# KiCad board panel.kicad_pcb (continued)
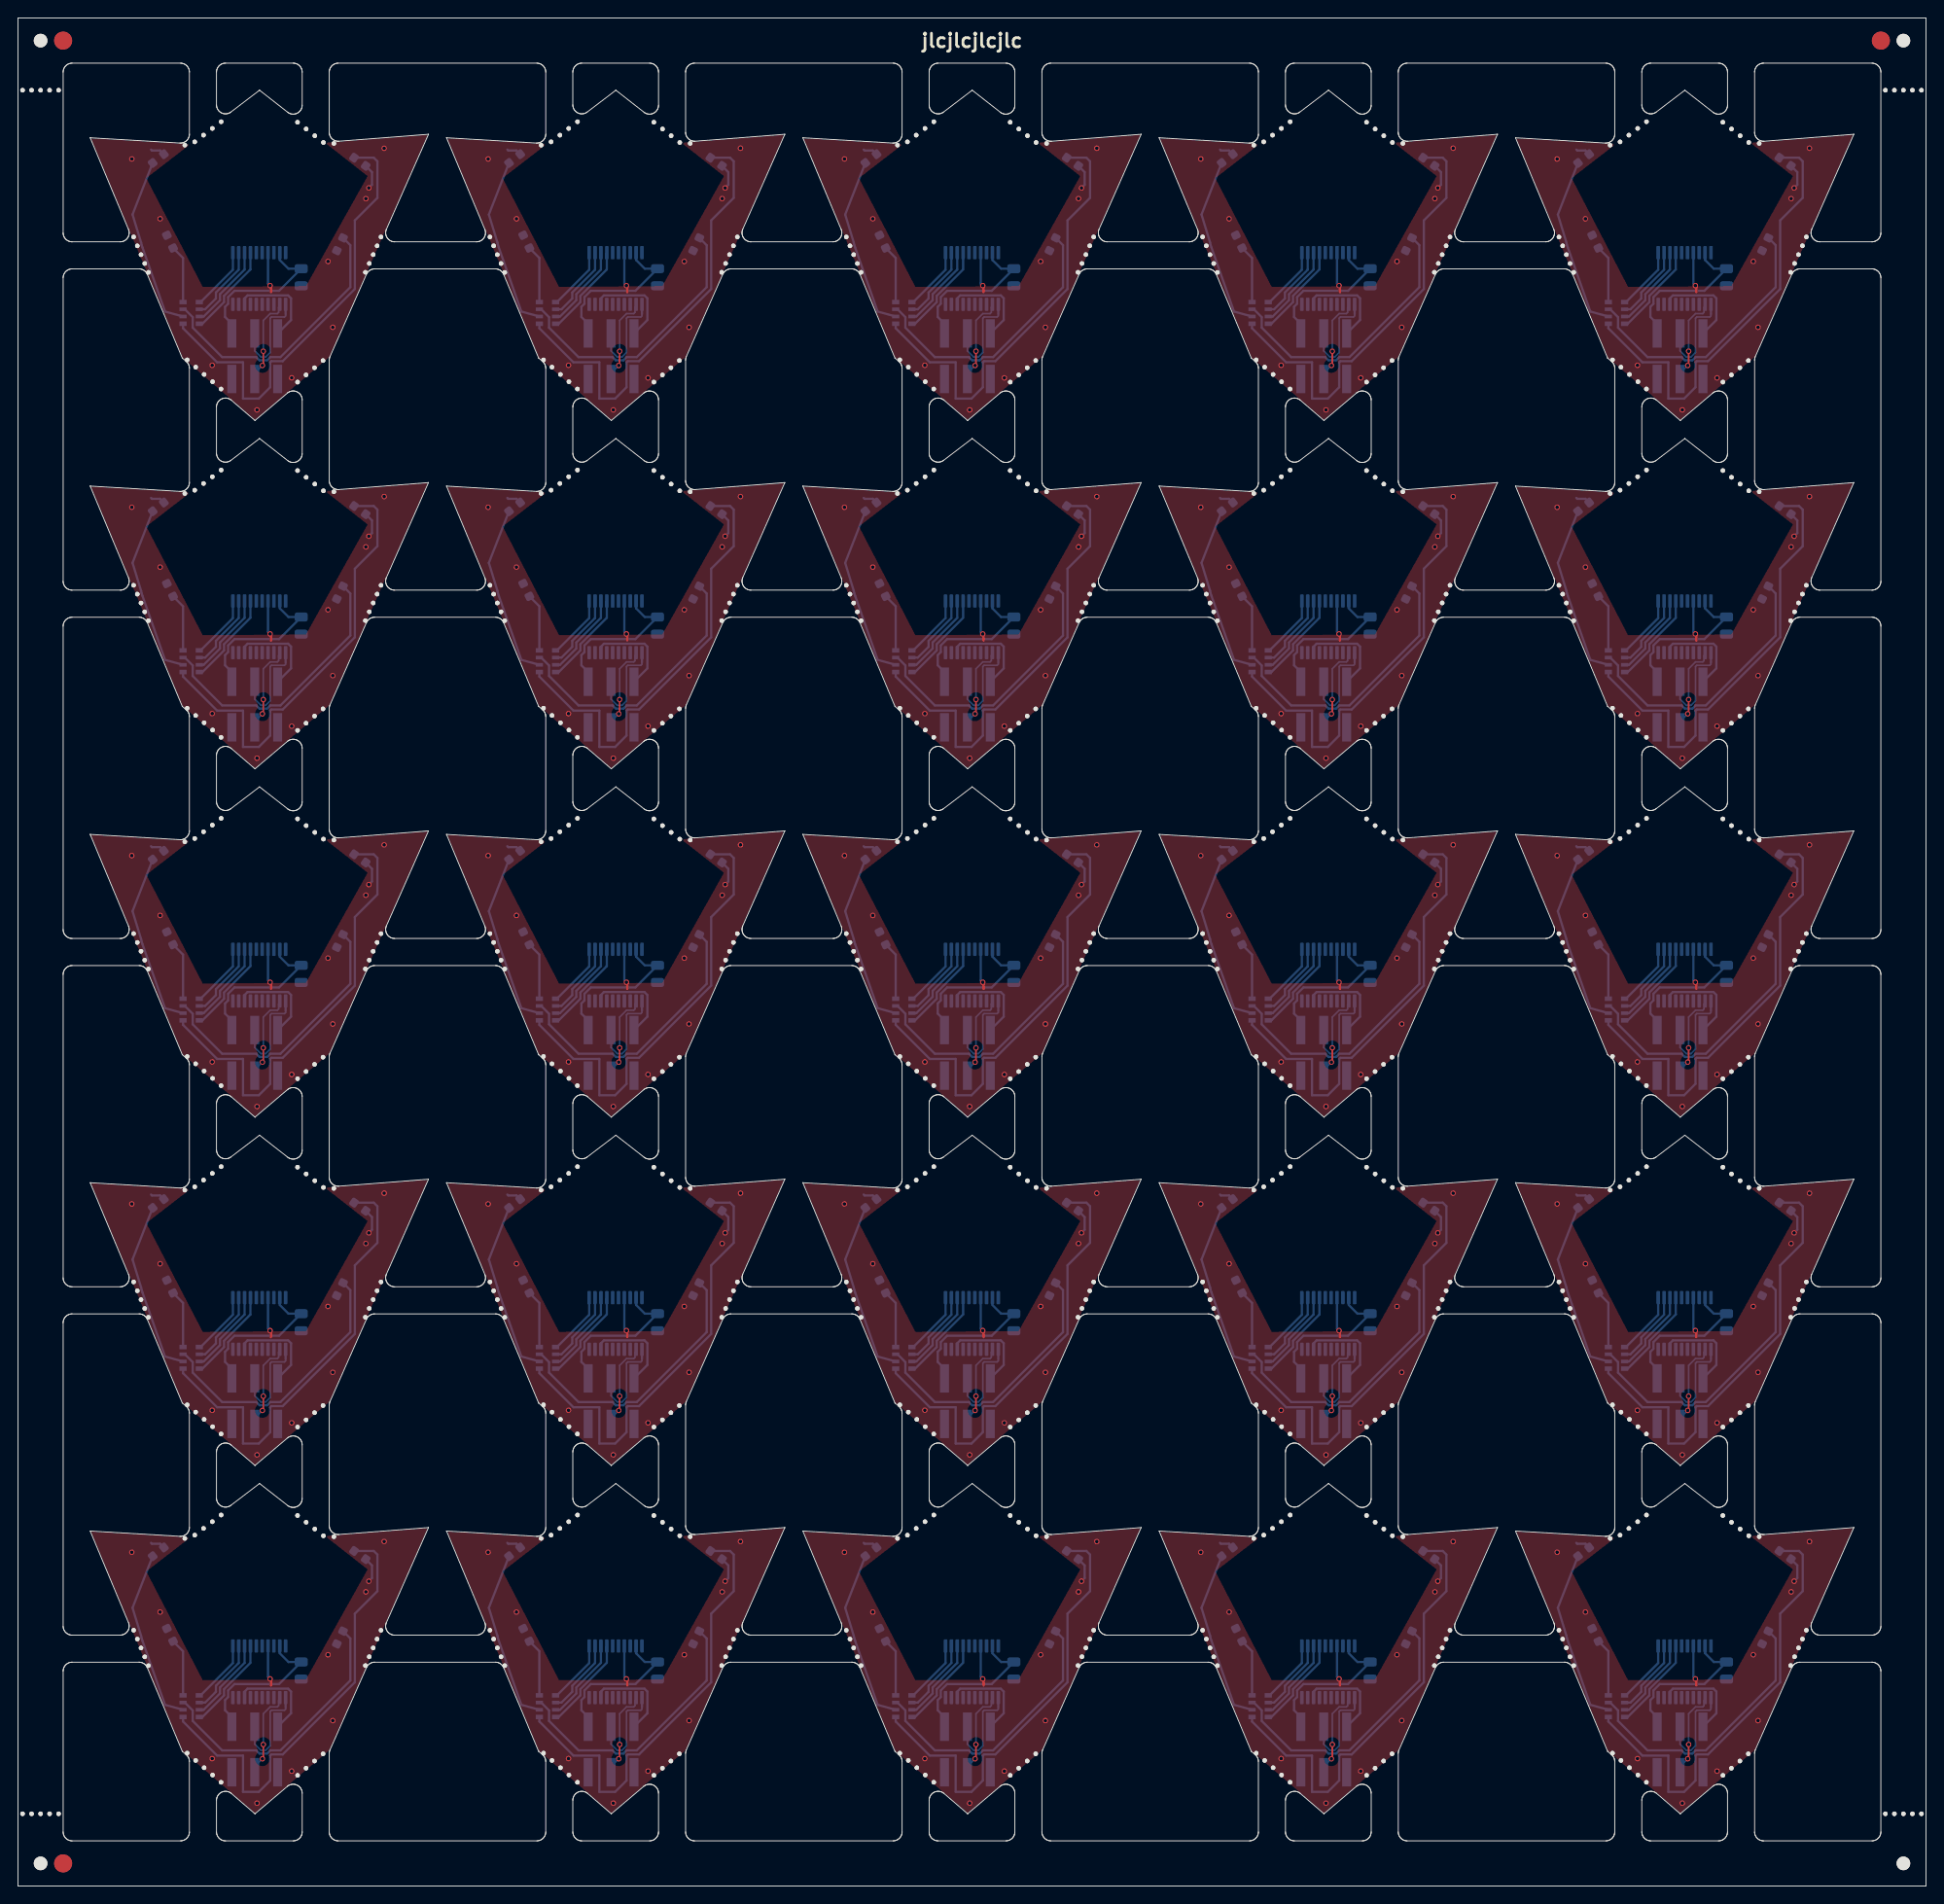
[diagram p0: board, top side]
## Nets (continued)
Board_23-unconnected-(U1-PD0-Pad8): U1#16.8
Board_23-unconnected-(U1-PD2-Pad19): U1#16.19
Board_23-unconnected-(U1-PD3-Pad20): U1#16.20
Board_23-VCC: C1#25.2 J1#15.1 U1#16.9
Board_23-VSS: C1#25.1 D2#19.1 D4#15.1 D6#19.1 D8#18.1 J1#15.2 U1#16.7
Board_24-A: RN1#20.5 U1#8.1
Board_24-B: RN1#20.6 U1#8.2
Board_24-C: RN1#20.7 U1#8.3
Board_24-D: RN1#20.8 U1#8.4
Board_24-Net-(D2-A): D2#14.2 RN1#20.4
Board_24-Net-(D4-A): D4#2.2 RN1#20.2
Board_24-Net-(D6-A): D6#3.2 RN1#20.3
Board_24-Net-(D8-A): D8#14.2 RN1#20.1
Board_24-SCL: J1#14.4 U1#8.12
Board_24-SDA: J1#14.3 U1#8.11
Board_24-SWIO: J1#14.5 U1#8.18
Board_24-unconnected-(J1-Pin_6-Pad6): J1#14.6
Board_24-unconnected-(U1-PA1-Pad5): U1#8.5
Board_24-unconnected-(U1-PA2-Pad6): U1#8.6
Board_24-unconnected-(U1-PC0-Pad10): U1#8.10
Board_24-unconnected-(U1-PC3-Pad13): U1#8.13
Board_24-unconnected-(U1-PC4-Pad14): U1#8.14
Board_24-unconnected-(U1-PC5-Pad15): U1#8.15
Board_24-unconnected-(U1-PC6-Pad16): U1#8.16
Board_24-unconnected-(U1-PC7-Pad17): U1#8.17
Board_24-unconnected-(U1-PD0-Pad8): U1#8.8
Board_24-unconnected-(U1-PD2-Pad19): U1#8.19
Board_24-unconnected-(U1-PD3-Pad20): U1#8.20
Board_24-VCC: C1#15.2 J1#14.1 U1#8.9
Board_24-VSS: C1#15.1 D2#14.1 D4#2.1 D6#3.1 D8#14.1 J1#14.2 U1#8.7

## Via types
v1: diameter 0.6, hole 0.4, Top to Bottom, 325 vias

## Routing (per net, layer and track width the routed paths; a pad name or vN(x,y) marks a point on that pad's centre or on a via; arc(x,y) is an arc through that point)
Board_0-A: length 7
  Bottom w0.25: RN1#12.5 20.24,175.56 23.82,179.13 23.82,180.96
Board_0-B: length 8.4
  Bottom w0.25: RN1#12.6 20.74,174.76 21.94,175.95 21.94,176.62 24.47,179.15 24.47,180.96
Board_0-C: length 9.4
  Bottom w0.25: RN1#12.7 20.58,173.96 22.39,175.77 22.39,176.43 25.12,179.16 25.12,180.96
Board_0-D: length 10.4
  Bottom w0.25: RN1#12.8 20.44,173.16 22.84,175.55 22.84,176.25 25.77,179.17 25.77,180.96
Board_0-Net-(D2-A): length 6.4
  Bottom w0.25: RN1#12.4 18.29,180.45 D2.2
Board_0-Net-(D4-A): length 19.6
  Bottom w0.25: RN1#12.2 16.29,174.51 13.79,181.61 13.69,181.91 13.64,182.16 12.69,185.26 D4#12.2
Board_0-Net-(D6-A): length 30.7
  Bottom w0.25: RN1#12.3 18.49,174.76 19.37,173.88 19.37,172.72 22.63,169.46 26.42,169.46 26.78,169.1 27.61,169.1 27.97,169.46 29.09,169.46 36.84,177.21 36.84,181.86 D6#23.2
Board_0-Net-(D8-A): length 49.7
  Bottom w0.25: D8#8.2 39.44,191.56 39.84,191.16 39.84,187.11 37.34,184.61 37.34,177.01 29.34,169.01 28.08,169.01 27.96,168.88 27.96,166.12 26.7,164.86 24.94,164.86 24.94,168.88 22.07,168.88 18.29,172.66 RN1#12.1
Board_0-SCL: length 9.8
  Top w0.18: v1(27.19,170.11) 27.19,168.63 v1(27.09,168.53)
  Bottom w0.18: v1(27.09,168.53) 26.24,167.68 J1#21.4 ; v1(27.19,170.11) 27.19,173.52 27.96,174.28 28.76,174.28 28.9,174.42 28.9,174.96 29.02,175.08 29.02,175.23
Board_0-SDA: length 11
  Bottom w0.18: J1#21.3 26.24,170.15 26.93,169.47 27.46,169.47 27.96,169.97 27.96,173.77 28.1,173.91 29.54,173.91 29.67,174.03 29.67,174.23
  Bottom w0.25: 29.67,175.23 29.67,174.23
Board_0-SWIO: length 10.7
  Bottom w0.25: J1#21.5 30.27,173.57 30.27,175.97 29.95,176.3 25.45,176.3 25.12,175.97 25.12,175.23
Board_0-VCC: length 17.4
  Bottom w0.25: J1#21.1 23.7,173.16 22.95,173.91 22.95,175.03 23.29,175.37 23.29,176.11 23.99,176.81 28.94,176.81 C1#20.2 29.98,179.26 29.02,180.22 29.02,180.96
Board_0-VSS: length 9
  Top w0.25: v1(27.94,177.38) 28.04,177.28 28.04,176.66
  Bottom w0.25: D8#8.1 39.24,189.96 39.24,188.56 v1(38.89,188.21) ; v1(27.94,177.38) 27.72,177.61 U1#22.7 ; D4#12.1 15.76,192.36 14.84,192.36 14.74,192.46
  vias: v1(12.61,191.42) v1(15.75,184.79) v1(21.52,168.55) v1(26.49,163.61) v1(30.34,167.16) v1(34.36,180.06) v1(34.89,172.76) v1(38.56,187.03) v1(40.59,192.61)
Board_1-A: length 7
  Bottom w0.25: RN1#15.5 59.75,175.56 63.33,179.13 63.33,180.96
Board_1-B: length 8.4
  Bottom w0.25: RN1#15.6 60.25,174.76 61.45,175.95 61.45,176.62 63.98,179.15 63.98,180.96
Board_1-C: length 9.4
  Bottom w0.25: 64.63,180.96 64.63,179.16 61.9,176.43 61.9,175.77 60.09,173.96 RN1#15.7
Board_1-D: length 10.4
  Bottom w0.25: RN1#15.8 59.95,173.16 62.35,175.55 62.35,176.25 65.28,179.17 65.28,180.96
Board_1-Net-(D2-A): length 6.4
  Bottom w0.25: RN1#15.4 57.8,180.45 D2#2.2
Board_1-Net-(D4-A): length 19.6
  Bottom w0.25: RN1#15.2 55.8,174.51 53.3,181.61 53.2,181.91 53.15,182.16 52.2,185.26 D4#21.2
Board_1-Net-(D6-A): length 30.7
  Bottom w0.25: RN1#15.3 58,174.76 58.88,173.88 58.88,172.72 62.14,169.46 65.93,169.46 66.29,169.1 67.12,169.1 67.47,169.46 68.6,169.46 76.35,177.21 76.35,181.86 D6#25.2
Board_1-Net-(D8-A): length 49.7
  Bottom w0.25: D8#13.2 78.95,191.56 79.35,191.16 79.35,187.11 76.85,184.61 76.85,177.01 68.85,169.01 67.59,169.01 67.47,168.88 67.47,166.12 66.2,164.86 64.45,164.86 64.45,168.88 61.58,168.88 57.8,172.66 RN1#15.1
Board_1-SCL: length 9.8
  Top w0.18: v1(66.6,168.53) 66.7,168.63 v1(66.7,170.11)
  Bottom w0.18: J1#16.4 65.75,167.68 v1(66.6,168.53) ; v1(66.7,170.11) 66.7,173.52 67.47,174.28 68.27,174.28 68.4,174.42 68.4,174.96 68.53,175.08 68.53,175.23
Board_1-SDA: length 11
  Bottom w0.18: J1#16.3 65.75,170.15 66.44,169.47 66.97,169.47 67.47,169.97 67.47,173.77 67.61,173.91 69.05,173.91 69.18,174.03 69.18,174.23
  Bottom w0.25: 69.18,175.23 69.18,174.23
Board_1-SWIO: length 10.7
  Bottom w0.25: 64.63,175.23 64.63,175.97 64.95,176.3 69.46,176.3 69.78,175.97 69.78,173.57 J1#16.5
Board_1-VCC: length 17.4
  Bottom w0.25: J1#16.1 63.21,173.16 62.46,173.91 62.46,175.03 62.8,175.37 62.8,176.11 63.5,176.81 68.45,176.81 C1#19.2 69.49,179.26 68.53,180.22 68.53,180.96
Board_1-VSS: length 9
  Top w0.25: v1(67.45,177.38) 67.55,177.28 67.55,176.66
  Bottom w0.25: 54.25,192.46 54.35,192.36 55.27,192.36 D4#21.1 ; D8#13.1 78.75,189.96 78.75,188.56 v1(78.4,188.21) ; U1#4.7 67.23,177.61 v1(67.45,177.38)
  vias: v1(52.12,191.42) v1(55.26,184.79) v1(61.03,168.55) v1(66,163.61) v1(69.85,167.16) v1(73.87,180.06) v1(74.4,172.76) v1(78.07,187.03) v1(80.1,192.61)
Board_2-A: length 7
  Bottom w0.25: 102.84,180.96 102.84,179.13 99.26,175.56 RN1#21.5
Board_2-B: length 8.4
  Bottom w0.25: RN1#21.6 99.76,174.76 100.96,175.95 100.96,176.62 103.49,179.15 103.49,180.96
Board_2-C: length 9.4
  Bottom w0.25: RN1#21.7 99.6,173.96 101.41,175.77 101.41,176.43 104.14,179.16 104.14,180.96
Board_2-D: length 10.4
  Bottom w0.25: 104.79,180.96 104.79,179.17 101.86,176.25 101.86,175.55 99.46,173.16 RN1#21.8
Board_2-Net-(D2-A): length 6.4
  Bottom w0.25: RN1#21.4 97.31,180.45 D2#22.2
Board_2-Net-(D4-A): length 19.6
  Bottom w0.25: RN1#21.2 95.31,174.51 92.81,181.61 92.71,181.91 92.66,182.16 91.71,185.26 D4#5.2
Board_2-Net-(D6-A): length 30.7
  Bottom w0.25: D6#2.2 115.86,181.86 115.86,177.21 108.11,169.46 106.98,169.46 106.63,169.1 105.8,169.1 105.44,169.46 101.65,169.46 98.39,172.72 98.39,173.88 97.51,174.76 RN1#21.3
Board_2-Net-(D8-A): length 49.7
  Bottom w0.25: RN1#21.1 97.31,172.66 101.09,168.88 103.96,168.88 103.96,164.86 105.71,164.86 106.97,166.12 106.97,168.88 107.1,169.01 108.36,169.01 116.36,177.01 116.36,184.61 118.86,187.11 118.86,191.16 118.46,191.56 D8#4.2
Board_2-SCL: length 9.8
  Top w0.18: v1(106.11,168.53) 106.21,168.63 v1(106.21,170.11)
  Bottom w0.18: v1(106.21,170.11) 106.21,173.52 106.97,174.28 107.78,174.28 107.91,174.42 107.91,174.96 108.04,175.08 108.04,175.23 ; v1(106.11,168.53) 105.26,167.68 J1#11.4
Board_2-SDA: length 11
  Bottom w0.18: J1#11.3 105.26,170.15 105.95,169.47 106.48,169.47 106.98,169.97 106.98,173.77 107.11,173.91 108.56,173.91 108.69,174.03 108.69,174.23
  Bottom w0.25: 108.69,175.23 108.69,174.23
Board_2-SWIO: length 10.7
  Bottom w0.25: 104.14,175.23 104.14,175.97 104.46,176.3 108.97,176.3 109.29,175.97 109.29,173.57 J1#11.5
Board_2-VCC: length 17.4
  Bottom w0.25: J1#11.1 102.72,173.16 101.97,173.91 101.97,175.03 102.31,175.37 102.31,176.11 103.01,176.81 107.96,176.81 C1#5.2 109,179.26 108.04,180.22 108.04,180.96
Board_2-VSS: length 9
  Top w0.25: 107.06,176.66 107.06,177.28 v1(106.96,177.38)
  Bottom w0.25: D8#4.1 118.26,189.96 118.26,188.56 v1(117.91,188.21) ; 93.76,192.46 93.86,192.36 94.78,192.36 D4#5.1 ; v1(106.96,177.38) 106.74,177.61 U1#19.7
  vias: v1(91.63,191.42) v1(94.77,184.79) v1(100.54,168.55) v1(105.51,163.61) v1(109.36,167.16) v1(113.38,180.06) v1(113.91,172.76) v1(117.58,187.03) v1(119.61,192.61)
Board_3-A: length 7
  Bottom w0.25: RN1#25.5 138.77,175.56 142.34,179.13 142.34,180.96
Board_3-B: length 8.4
  Bottom w0.25: 142.99,180.96 142.99,179.15 140.47,176.62 140.47,175.95 139.27,174.76 RN1#25.6
Board_3-C: length 9.4
  Bottom w0.25: 143.64,180.96 143.64,179.16 140.92,176.43 140.92,175.77 139.11,173.96 RN1#25.7
Board_3-D: length 10.4
  Bottom w0.25: 144.29,180.96 144.29,179.17 141.37,176.25 141.37,175.55 138.97,173.16 RN1#25.8
Board_3-Net-(D2-A): length 6.4
  Bottom w0.25: D2#12.2 136.82,180.45 RN1#25.4
Board_3-Net-(D4-A): length 19.6
  Bottom w0.25: RN1#25.2 134.82,174.51 132.32,181.61 132.22,181.91 132.17,182.16 131.22,185.26 D4#18.2
Board_3-Net-(D6-A): length 30.7
  Bottom w0.25: RN1#25.3 137.02,174.76 137.89,173.88 137.89,172.72 141.16,169.46 144.95,169.46 145.3,169.1 146.14,169.1 146.49,169.46 147.62,169.46 155.37,177.21 155.37,181.86 D6#22.2
Board_3-Net-(D8-A): length 49.7
  Bottom w0.25: RN1#25.1 136.82,172.66 140.59,168.88 143.47,168.88 143.47,164.86 145.22,164.86 146.48,166.12 146.48,168.88 146.61,169.01 147.87,169.01 155.87,177.01 155.87,184.61 158.37,187.11 158.37,191.16 157.97,191.56 D8#19.2
Board_3-SCL: length 9.8
  Top w0.18: v1(145.62,168.53) 145.72,168.63 v1(145.72,170.11)
  Bottom w0.18: v1(145.72,170.11) 145.72,173.52 146.48,174.28 147.28,174.28 147.42,174.42 147.42,174.96 147.54,175.08 147.54,175.23 ; v1(145.62,168.53) 144.77,167.68 J1#7.4
Board_3-SDA: length 11
  Bottom w0.18: 148.19,174.23 148.19,174.03 148.07,173.91 146.62,173.91 146.48,173.77 146.48,169.97 145.99,169.47 145.45,169.47 144.77,170.15 J1#7.3
  Bottom w0.25: 148.19,175.23 148.19,174.23
Board_3-SWIO: length 10.7
  Bottom w0.25: J1#7.5 148.8,173.57 148.8,175.97 148.47,176.3 143.97,176.3 143.64,175.97 143.64,175.23
Board_3-VCC: length 17.4
  Bottom w0.25: J1#7.1 142.23,173.16 141.48,173.91 141.48,175.03 141.82,175.37 141.82,176.11 142.52,176.81 147.47,176.81 C1.2 148.51,179.26 147.54,180.22 147.54,180.96
Board_3-VSS: length 9
  Top w0.25: v1(146.47,177.38) 146.57,177.28 146.57,176.66
  Bottom w0.25: v1(157.42,188.21) 157.77,188.56 157.77,189.96 D8#19.1 ; v1(146.47,177.38) 146.24,177.61 U1#25.7 ; D4#18.1 134.28,192.36 133.37,192.36 133.27,192.46
  vias: v1(131.14,191.42) v1(134.28,184.79) v1(140.05,168.55) v1(145.02,163.61) v1(148.87,167.16) v1(152.89,180.06) v1(153.42,172.76) v1(157.09,187.03) v1(159.12,192.61)
Board_4-A: length 7
  Bottom w0.25: RN1#16.5 178.28,175.56 181.85,179.13 181.85,180.96
Board_4-B: length 8.4
  Bottom w0.25: 182.5,180.96 182.5,179.15 179.98,176.62 179.98,175.95 178.78,174.76 RN1#16.6
Board_4-C: length 9.4
  Bottom w0.25: 183.15,180.96 183.15,179.16 180.43,176.43 180.43,175.77 178.62,173.96 RN1#16.7
Board_4-D: length 10.4
  Bottom w0.25: RN1#16.8 178.48,173.16 180.88,175.55 180.88,176.25 183.8,179.17 183.8,180.96
Board_4-Net-(D2-A): length 6.4
  Bottom w0.25: RN1#16.4 176.33,180.45 D2#25.2
Board_4-Net-(D4-A): length 19.6
  Bottom w0.25: RN1#16.2 174.33,174.51 171.83,181.61 171.73,181.91 171.68,182.16 170.73,185.26 D4#24.2
Board_4-Net-(D6-A): length 30.7
  Bottom w0.25: RN1#16.3 176.53,174.76 177.4,173.88 177.4,172.72 180.66,169.46 184.46,169.46 184.81,169.1 185.64,169.1 186,169.46 187.13,169.46 194.88,177.21 194.88,181.86 D6#16.2
Board_4-Net-(D8-A): length 49.7
  Bottom w0.25: RN1#16.1 176.33,172.66 180.1,168.88 182.98,168.88 182.98,164.86 184.73,164.86 185.99,166.12 185.99,168.88 186.12,169.01 187.38,169.01 195.38,177.01 195.38,184.61 197.88,187.11 197.88,191.16 197.48,191.56 D8#20.2
Board_4-SCL: length 9.8
  Top w0.18: v1(185.23,170.11) 185.23,168.63 v1(185.13,168.53)
  Bottom w0.18: v1(185.23,170.11) 185.23,173.52 185.99,174.28 186.79,174.28 186.93,174.42 186.93,174.96 187.05,175.08 187.05,175.23 ; v1(185.13,168.53) 184.28,167.68 J1#13.4
Board_4-SDA: length 11
  Bottom w0.18: 187.7,174.23 187.7,174.03 187.58,173.91 186.13,173.91 185.99,173.77 185.99,169.97 185.49,169.47 184.96,169.47 184.28,170.15 J1#13.3
  Bottom w0.25: 187.7,175.23 187.7,174.23
Board_4-SWIO: length 10.7
  Bottom w0.25: J1#13.5 188.3,173.57 188.3,175.97 187.98,176.3 183.48,176.3 183.15,175.97 183.15,175.23
Board_4-VCC: length 17.4
  Bottom w0.25: 187.05,180.96 187.05,180.22 188.02,179.26 C1#12.2 186.98,176.81 182.03,176.81 181.33,176.11 181.33,175.37 180.99,175.03 180.99,173.91 181.74,173.16 J1#13.1
Board_4-VSS: length 9
  Top w0.25: v1(185.98,177.38) 186.08,177.28 186.08,176.66
  Bottom w0.25: v1(196.93,188.21) 197.28,188.56 197.28,189.96 D8#20.1 ; D4#24.1 173.79,192.36 172.88,192.36 172.78,192.46 ; v1(185.98,177.38) 185.75,177.61 U1#17.7
  vias: v1(170.65,191.42) v1(173.79,184.79) v1(179.56,168.55) v1(184.53,163.61) v1(188.38,167.16) v1(192.4,180.06) v1(192.93,172.76) v1(196.6,187.03) v1(198.63,192.61)
Board_5-A: length 7
  Bottom w0.25: 23.82,142.35 23.82,140.53 20.24,136.95 RN1#17.5
Board_5-B: length 8.4
  Bottom w0.25: RN1#17.6 20.74,136.15 21.94,137.35 21.94,138.01 24.47,140.54 24.47,142.35
Board_5-C: length 9.4
  Bottom w0.25: 25.12,142.35 25.12,140.55 22.39,137.82 22.39,137.16 20.58,135.35 RN1#17.7
Board_5-D: length 10.4
  Bottom w0.25: 25.77,142.35 25.77,140.57 22.84,137.64 22.84,136.95 20.44,134.55 RN1#17.8
Board_5-Net-(D2-A): length 6.4
  Bottom w0.25: RN1#17.4 18.29,141.84 D2#13.2
Board_5-Net-(D4-A): length 19.6
  Bottom w0.25: RN1#17.2 16.29,135.9 13.79,143 13.69,143.3 13.64,143.55 12.69,146.65 D4#4.2
Board_5-Net-(D6-A): length 30.7
  Bottom w0.25: RN1#17.3 18.49,136.15 19.37,135.28 19.37,134.11 22.63,130.85 26.42,130.85 26.78,130.5 27.61,130.5 27.97,130.85 29.09,130.85 36.84,138.6 36.84,143.26 D6#11.2
Board_5-Net-(D8-A): length 49.7
  Bottom w0.25: D8#25.2 39.44,152.95 39.84,152.55 39.84,148.5 37.34,146 37.34,138.4 29.34,130.4 28.08,130.4 27.96,130.28 27.96,127.51 26.7,126.25 24.94,126.25 24.94,130.28 22.07,130.28 18.29,134.05 RN1#17.1
Board_5-SCL: length 9.8
  Top w0.18: v1(27.09,129.92) 27.19,130.02 v1(27.19,131.5)
  Bottom w0.18: v1(27.19,131.5) 27.19,134.91 27.96,135.67 28.76,135.67 28.9,135.81 28.9,136.35 29.02,136.48 29.02,136.63 ; v1(27.09,129.92) 26.24,129.07 J1#23.4
Board_5-SDA: length 11
  Bottom w0.18: 29.67,135.63 29.67,135.43 29.54,135.3 28.1,135.3 27.96,135.16 27.96,131.36 27.46,130.86 26.93,130.86 26.24,131.54 J1#23.3
  Bottom w0.25: 29.67,136.63 29.67,135.63
Board_5-SWIO: length 10.7
  Bottom w0.25: J1#23.5 30.27,134.96 30.27,137.37 29.95,137.69 25.45,137.69 25.12,137.36 25.12,136.63
Board_5-VCC: length 17.4
  Bottom w0.25: 29.02,142.35 29.02,141.61 29.98,140.65 C1#3.2 28.94,138.2 23.99,138.2 23.29,137.5 23.29,136.76 22.95,136.42 22.95,135.3 23.7,134.55 J1#23.1
Board_5-VSS: length 9
  Top w0.25: 28.04,138.05 28.04,138.68 v1(27.94,138.78)
  Bottom w0.25: 14.74,153.85 14.84,153.75 15.76,153.75 D4#4.1 ; v1(27.94,138.78) 27.72,139 U1#12.7 ; D8#25.1 39.24,151.35 39.24,149.95 v1(38.89,149.6)
  vias: v1(12.61,152.81) v1(15.75,146.18) v1(21.52,129.94) v1(26.49,125) v1(30.34,128.55) v1(34.36,141.45) v1(34.89,134.15) v1(38.56,148.42) v1(40.59,154)
Board_6-A: length 7
  Bottom w0.25: 63.33,142.35 63.33,140.53 59.75,136.95 RN1#10.5
Board_6-B: length 8.4
  Bottom w0.25: 63.98,142.35 63.98,140.54 61.45,138.01 61.45,137.35 60.25,136.15 RN1#10.6
Board_6-C: length 9.4
  Bottom w0.25: 64.63,142.35 64.63,140.55 61.9,137.82 61.9,137.16 60.09,135.35 RN1#10.7
Board_6-D: length 10.4
  Bottom w0.25: RN1#10.8 59.95,134.55 62.35,136.95 62.35,137.64 65.28,140.57 65.28,142.35
Board_6-Net-(D2-A): length 6.4
  Bottom w0.25: D2#21.2 57.8,141.84 RN1#10.4
Board_6-Net-(D4-A): length 19.6
  Bottom w0.25: RN1#10.2 55.8,135.9 53.3,143 53.2,143.3 53.15,143.55 52.2,146.65 D4#19.2
Board_6-Net-(D6-A): length 30.7
  Bottom w0.25: D6#24.2 76.35,143.26 76.35,138.6 68.6,130.85 67.47,130.85 67.12,130.5 66.29,130.5 65.93,130.85 62.14,130.85 58.88,134.11 58.88,135.28 58,136.15 RN1#10.3
Board_6-Net-(D8-A): length 49.7
  Bottom w0.25: RN1#10.1 57.8,134.05 61.58,130.28 64.45,130.28 64.45,126.25 66.2,126.25 67.47,127.51 67.47,130.28 67.59,130.4 68.85,130.4 76.85,138.4 76.85,146 79.35,148.5 79.35,152.55 78.95,152.95 D8#7.2
Board_6-SCL: length 9.8
  Top w0.18: v1(66.6,129.92) 66.7,130.02 v1(66.7,131.5)
  Bottom w0.18: v1(66.6,129.92) 65.75,129.07 J1#18.4 ; v1(66.7,131.5) 66.7,134.91 67.47,135.67 68.27,135.67 68.4,135.81 68.4,136.35 68.53,136.48 68.53,136.63
Board_6-SDA: length 11
  Bottom w0.18: 69.18,135.63 69.18,135.43 69.05,135.3 67.61,135.3 67.47,135.16 67.47,131.36 66.97,130.86 66.44,130.86 65.75,131.54 J1#18.3
  Bottom w0.25: 69.18,136.63 69.18,135.63
Board_6-SWIO: length 10.7
  Bottom w0.25: J1#18.5 69.78,134.96 69.78,137.37 69.46,137.69 64.95,137.69 64.63,137.36 64.63,136.63
Board_6-VCC: length 17.4
  Bottom w0.25: 68.53,142.35 68.53,141.61 69.49,140.65 C1#24.2 68.45,138.2 63.5,138.2 62.8,137.5 62.8,136.76 62.46,136.42 62.46,135.3 63.21,134.55 J1#18.1
Board_6-VSS: length 9
  Top w0.25: v1(67.45,138.78) 67.55,138.68 67.55,138.05
  Bottom w0.25: U1#21.7 67.23,139 v1(67.45,138.78) ; D4#19.1 55.27,153.75 54.35,153.75 54.25,153.85 ; v1(78.4,149.6) 78.75,149.95 78.75,151.35 D8#7.1
  vias: v1(52.12,152.81) v1(55.26,146.18) v1(61.03,129.94) v1(66,125) v1(69.85,128.55) v1(73.87,141.45) v1(74.4,134.15) v1(78.07,148.42) v1(80.1,154)
Board_7-A: length 7
  Bottom w0.25: RN1#3.5 99.26,136.95 102.84,140.53 102.84,142.35
Board_7-B: length 8.4
  Bottom w0.25: RN1#3.6 99.76,136.15 100.96,137.35 100.96,138.01 103.49,140.54 103.49,142.35
Board_7-C: length 9.4
  Bottom w0.25: 104.14,142.35 104.14,140.55 101.41,137.82 101.41,137.16 99.6,135.35 RN1#3.7
Board_7-D: length 10.4
  Bottom w0.25: RN1#3.8 99.46,134.55 101.86,136.95 101.86,137.64 104.79,140.57 104.79,142.35
Board_7-Net-(D2-A): length 6.4
  Bottom w0.25: D2#9.2 97.31,141.84 RN1#3.4
Board_7-Net-(D4-A): length 19.6
  Bottom w0.25: D4#23.2 91.71,146.65 92.66,143.55 92.71,143.3 92.81,143 95.31,135.9 RN1#3.2
Board_7-Net-(D6-A): length 30.7
  Bottom w0.25: D6#21.2 115.86,143.26 115.86,138.6 108.11,130.85 106.98,130.85 106.63,130.5 105.8,130.5 105.44,130.85 101.65,130.85 98.39,134.11 98.39,135.28 97.51,136.15 RN1#3.3
Board_7-Net-(D8-A): length 49.7
  Bottom w0.25: D8#17.2 118.46,152.95 118.86,152.55 118.86,148.5 116.36,146 116.36,138.4 108.36,130.4 107.1,130.4 106.97,130.28 106.97,127.51 105.71,126.25 103.96,126.25 103.96,130.28 101.09,130.28 97.31,134.05 RN1#3.1
Board_7-SCL: length 9.8
  Top w0.18: v1(106.11,129.92) 106.21,130.02 v1(106.21,131.5)
  Bottom w0.18: v1(106.21,131.5) 106.21,134.91 106.97,135.67 107.78,135.67 107.91,135.81 107.91,136.35 108.04,136.48 108.04,136.63 ; v1(106.11,129.92) 105.26,129.07 J1#5.4
Board_7-SDA: length 11
  Bottom w0.18: J1#5.3 105.26,131.54 105.95,130.86 106.48,130.86 106.98,131.36 106.98,135.16 107.11,135.3 108.56,135.3 108.69,135.43 108.69,135.63
  Bottom w0.25: 108.69,136.63 108.69,135.63
Board_7-SWIO: length 10.7
  Bottom w0.25: J1#5.5 109.29,134.96 109.29,137.37 108.97,137.69 104.46,137.69 104.14,137.36 104.14,136.63
Board_7-VCC: length 17.4
  Bottom w0.25: 108.04,142.35 108.04,141.61 109,140.65 C1#7.2 107.96,138.2 103.01,138.2 102.31,137.5 102.31,136.76 101.97,136.42 101.97,135.3 102.72,134.55 J1#5.1
Board_7-VSS: length 9
  Top w0.25: 107.06,138.05 107.06,138.68 v1(106.96,138.78)
  Bottom w0.25: D8#17.1 118.26,151.35 118.26,149.95 v1(117.91,149.6) ; U1#11.7 106.74,139 v1(106.96,138.78) ; D4#23.1 94.78,153.75 93.86,153.75 93.76,153.85
  vias: v1(91.63,152.81) v1(94.77,146.18) v1(100.54,129.94) v1(105.51,125) v1(109.36,128.55) v1(113.38,141.45) v1(113.91,134.15) v1(117.58,148.42) v1(119.61,154)
Board_8-A: length 7
  Bottom w0.25: 142.34,142.35 142.34,140.53 138.77,136.95 RN1#5.5
Board_8-B: length 8.4
  Bottom w0.25: RN1#5.6 139.27,136.15 140.47,137.35 140.47,138.01 142.99,140.54 142.99,142.35
Board_8-C: length 9.4
  Bottom w0.25: RN1#5.7 139.11,135.35 140.92,137.16 140.92,137.82 143.64,140.55 143.64,142.35
Board_8-D: length 10.4
  Bottom w0.25: 144.29,142.35 144.29,140.57 141.37,137.64 141.37,136.95 138.97,134.55 RN1#5.8
Board_8-Net-(D2-A): length 6.4
  Bottom w0.25: RN1#5.4 136.82,141.84 D2#17.2
Board_8-Net-(D4-A): length 19.6
  Bottom w0.25: RN1#5.2 134.82,135.9 132.32,143 132.22,143.3 132.17,143.55 131.22,146.65 D4#9.2
Board_8-Net-(D6-A): length 30.7
  Bottom w0.25: RN1#5.3 137.02,136.15 137.89,135.28 137.89,134.11 141.16,130.85 144.95,130.85 145.3,130.5 146.14,130.5 146.49,130.85 147.62,130.85 155.37,138.6 155.37,143.26 D6#4.2
Board_8-Net-(D8-A): length 49.7
  Bottom w0.25: RN1#5.1 136.82,134.05 140.59,130.28 143.47,130.28 143.47,126.25 145.22,126.25 146.48,127.51 146.48,130.28 146.61,130.4 147.87,130.4 155.87,138.4 155.87,146 158.37,148.5 158.37,152.55 157.97,152.95 D8.2
Board_8-SCL: length 9.8
  Top w0.18: v1(145.72,131.5) 145.72,130.02 v1(145.62,129.92)
  Bottom w0.18: 147.54,136.63 147.54,136.48 147.42,136.35 147.42,135.81 147.28,135.67 146.48,135.67 145.72,134.91 v1(145.72,131.5) ; v1(145.62,129.92) 144.77,129.07 J1.4
Board_8-SDA: length 11
  Bottom w0.18: J1.3 144.77,131.54 145.45,130.86 145.99,130.86 146.48,131.36 146.48,135.16 146.62,135.3 148.07,135.3 148.19,135.43 148.19,135.63
  Bottom w0.25: 148.19,136.63 148.19,135.63
Board_8-SWIO: length 10.7
  Bottom w0.25: J1.5 148.8,134.96 148.8,137.37 148.47,137.69 143.97,137.69 143.64,137.36 143.64,136.63
Board_8-VCC: length 17.4
  Bottom w0.25: 147.54,142.35 147.54,141.61 148.51,140.65 C1#22.2 147.47,138.2 142.52,138.2 141.82,137.5 141.82,136.76 141.48,136.42 141.48,135.3 142.23,134.55 J1.1
Board_8-VSS: length 9
  Top w0.25: v1(146.47,138.78) 146.57,138.68 146.57,138.05
  Bottom w0.25: D8.1 157.77,151.35 157.77,149.95 v1(157.42,149.6) ; U1#24.7 146.24,139 v1(146.47,138.78) ; D4#9.1 134.28,153.75 133.37,153.75 133.27,153.85
  vias: v1(131.14,152.81) v1(134.28,146.18) v1(140.05,129.94) v1(145.02,125) v1(148.87,128.55) v1(152.89,141.45) v1(153.42,134.15) v1(157.09,148.42) v1(159.12,154)
Board_9-A: length 7
  Bottom w0.25: RN1#6.5 178.28,136.95 181.85,140.53 181.85,142.35
Board_9-B: length 8.4
  Bottom w0.25: RN1#6.6 178.78,136.15 179.98,137.35 179.98,138.01 182.5,140.54 182.5,142.35
Board_9-C: length 9.4
  Bottom w0.25: 183.15,142.35 183.15,140.55 180.43,137.82 180.43,137.16 178.62,135.35 RN1#6.7
Board_9-D: length 10.4
  Bottom w0.25: RN1#6.8 178.48,134.55 180.88,136.95 180.88,137.64 183.8,140.57 183.8,142.35
Board_9-Net-(D2-A): length 6.4
  Bottom w0.25: RN1#6.4 176.33,141.84 D2#23.2
Board_9-Net-(D4-A): length 19.6
  Bottom w0.25: D4#16.2 170.73,146.65 171.68,143.55 171.73,143.3 171.83,143 174.33,135.9 RN1#6.2
Board_9-Net-(D6-A): length 30.7
  Bottom w0.25: D6#7.2 194.88,143.26 194.88,138.6 187.13,130.85 186,130.85 185.64,130.5 184.81,130.5 184.46,130.85 180.66,130.85 177.4,134.11 177.4,135.28 176.53,136.15 RN1#6.3
Board_9-Net-(D8-A): length 49.7
  Bottom w0.25: D8#3.2 197.48,152.95 197.88,152.55 197.88,148.5 195.38,146 195.38,138.4 187.38,130.4 186.12,130.4 185.99,130.28 185.99,127.51 184.73,126.25 182.98,126.25 182.98,130.28 180.1,130.28 176.33,134.05 RN1#6.1
Board_9-SCL: length 9.8
  Top w0.18: v1(185.23,131.5) 185.23,130.02 v1(185.13,129.92)
  Bottom w0.18: v1(185.13,129.92) 184.28,129.07 J1#10.4 ; 187.05,136.63 187.05,136.48 186.93,136.35 186.93,135.81 186.79,135.67 185.99,135.67 185.23,134.91 v1(185.23,131.5)
Board_9-SDA: length 11
  Bottom w0.18: J1#10.3 184.28,131.54 184.96,130.86 185.49,130.86 185.99,131.36 185.99,135.16 186.13,135.3 187.58,135.3 187.7,135.43 187.7,135.63
  Bottom w0.25: 187.7,136.63 187.7,135.63
Board_9-SWIO: length 10.7
  Bottom w0.25: J1#10.5 188.3,134.96 188.3,137.37 187.98,137.69 183.48,137.69 183.15,137.36 183.15,136.63
Board_9-VCC: length 17.4
  Bottom w0.25: J1#10.1 181.74,134.55 180.99,135.3 180.99,136.42 181.33,136.76 181.33,137.5 182.03,138.2 186.98,138.2 C1#6.2 188.02,140.65 187.05,141.61 187.05,142.35
Board_9-VSS: length 9
  Top w0.25: 186.08,138.05 186.08,138.68 v1(185.98,138.78)
  Bottom w0.25: 172.78,153.85 172.88,153.75 173.79,153.75 D4#16.1 ; v1(185.98,138.78) 185.75,139 U1#15.7 ; D8#3.1 197.28,151.35 197.28,149.95 v1(196.93,149.6)
  vias: v1(170.65,152.81) v1(173.79,146.18) v1(179.56,129.94) v1(184.53,125) v1(188.38,128.55) v1(192.4,141.45) v1(192.93,134.15) v1(196.6,148.42) v1(198.63,154)
Board_10-A: length 7
  Bottom w0.25: RN1#8.5 20.24,98.34 23.82,101.92 23.82,103.74
Board_10-B: length 8.4
  Bottom w0.25: RN1#8.6 20.74,97.54 21.94,98.74 21.94,99.4 24.47,101.93 24.47,103.74
Board_10-C: length 9.4
  Bottom w0.25: 25.12,103.74 25.12,101.94 22.39,99.22 22.39,98.55 20.58,96.74 RN1#8.7
Board_10-D: length 10.4
  Bottom w0.25: 25.77,103.74 25.77,101.96 22.84,99.03 22.84,98.34 20.44,95.94 RN1#8.8
Board_10-Net-(D2-A): length 6.4
  Bottom w0.25: D2#10.2 18.29,103.23 RN1#8.4
Board_10-Net-(D4-A): length 19.6
  Bottom w0.25: RN1#8.2 16.29,97.29 13.79,104.39 13.69,104.69 13.64,104.94 12.69,108.04 D4#25.2
Board_10-Net-(D6-A): length 30.7
  Bottom w0.25: RN1#8.3 18.49,97.54 19.37,96.67 19.37,95.5 22.63,92.24 26.42,92.24 26.78,91.89 27.61,91.89 27.97,92.24 29.09,92.24 36.84,99.99 36.84,104.65 D6#5.2
